# Altium PCB PCB1.PcbDoc (part 1 of 2) (continued)
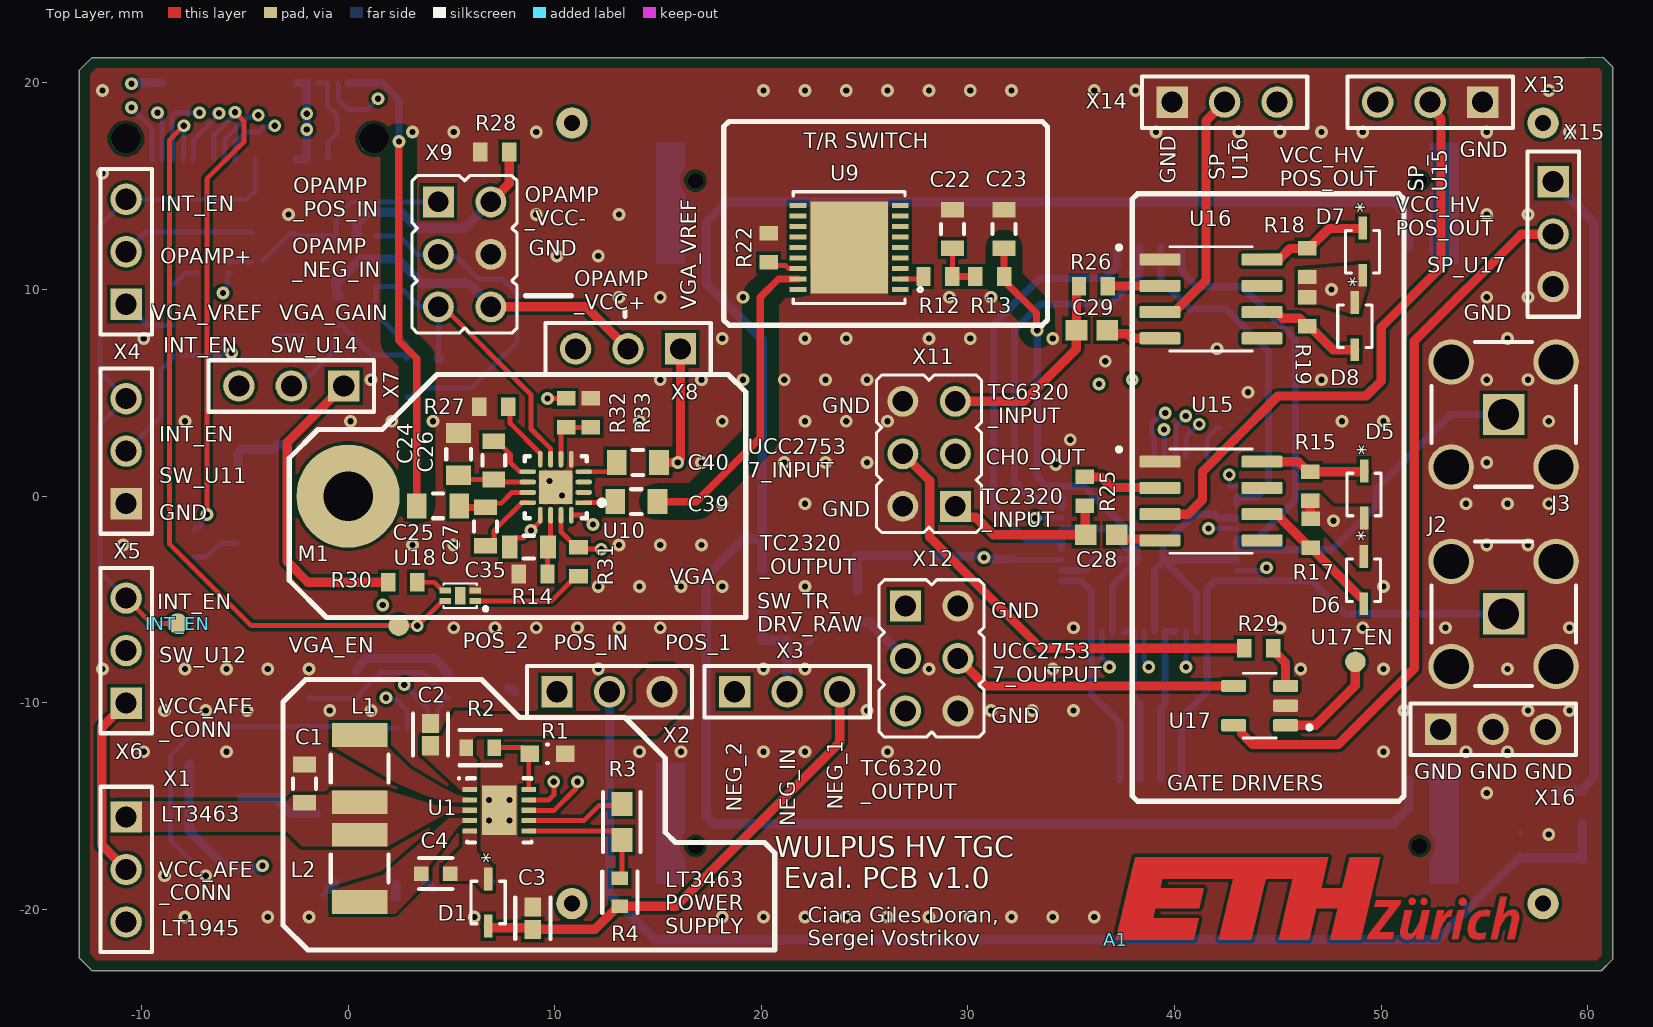
[diagram p0: Top Layer view]
## Components (designator, comment, footprint, x,y, rotation, side; value= is the part's Value field where it differs from the comment) (continued)
INT_EN "TP-SM-C-100" TP-SM-C-100 -8.248,-6.173 r90 top
J1 "LSHM-120-02.5-L-DV-A-N-K-TR" SAMTEC_LSHM-120-XX.X-X-DV-A-N-XX -4.75,18.15 r180 bottom locked
J2 "901-144-8RFX" AMPH-901-144-8RFX_V 55.932,-5.701 r180 top
J3 "901-144-8RFX" AMPH-901-144-8RFX_V 55.932,3.951 r180 top
J4 "91931-31169LF" FRAMETOME_91931-31169LF 34.337,14.167 r180 bottom locked
J5 "91931-31169LF" FRAMETOME_91931-31169LF 34.337,-15.833 r0 bottom locked
L1 "B82422A1103K100" FP-B82422A-MFG 0.56,-13.194 r90 top
L2 "B82422A1103K100" FP-B82422A-MFG 0.56,-18.02 r270 top
L3 "B82422A1103K100" FP-B82422A-MFG 0.687,-18.655 r180 bottom
L4 "B82422A1103K100" FP-B82422A-MFG 5.386,-18.655 r0 bottom
L5 "NR3012T4R7M" FP-NR3012-MFG -6.425,1.411 r180 bottom
M1 "Mounting Hole" "Mounting Hole" 0,0 r90 top
R1 "RC0603FR-0743K2L" FP-RC0603-0_55-MFG 9.652,-12.473 r0 top
R2 "RC0603JR-071ML" FP-RC0603-0_55-IPC_C 6.402,-12.178 r0 top
R3 "RK73H1JTTDD4122D" FP-RK73H1J-IPC_A 13.252,-15.773 r270 top
R4 "RC0603JR-071ML" FP-RC0603-0_55-IPC_C 13.152,-19.173 r270 top
R5 "RC0603JR-071ML" FP-RC0603-0_55-IPC_C 0.306,-9.13 r90 bottom
R6 "RC0603JR-071ML" FP-RC0603-0_55-IPC_C -7.695,-16.877 r270 bottom
R7 "RC0603FR-0743K2L" FP-RC0603-0_55-MFG -2.742,-9.765 r180 bottom
R8 "RK73H1JTTD4322F" RESC1608X55X30ML20T10 0.306,-12.051 r270 bottom
R9 "RC0603JR-130RL" RESC1608X55X25NL10T15 42.177,4.002 r270 bottom
R10 "RC0603FR-07196RL" RESC1608X55X25NL10T15 -4.648,12.027 r270 bottom
R11 "RC0603FR-07196RL" RESC1608X55X25NL10T15 6.752,5.327 r180 bottom
R12 "RC0603JR-130RL" RESC1608X55X25NL10T15 28.552,10.627 r180 top
R13 "RC0603JR-130RL" RESC1608X55X25NL10T15 31.052,10.627 r180 top
R14 "RC0603JR-130RL" RESC1608X55X25NL10T15 8.952,-3.773 r0 top
R15 "RC0603JR-130RL" RESC1608X55X25NL10T15 46.577,0.477 r90 top
R16 "RC0603JR-130RL" RESC1608X55X25NL10T15 24.652,-5.273 r270 bottom
R17 "RC0603JR-130RL" RESC1608X55X25NL10T15 46.602,-1.798 r270 top
R18 "RC0603JR-130RL" RESC1608X55X25NL10T15 46.427,11.302 r90 top
R19 "RC0603JR-130RL" RESC1608X55X25NL10T15 46.427,8.927 r270 top
R20 "RC0603FR-07196RL" RESC1608X55X25NL10T15 -8.548,10.927 r270 bottom
R21 "RC0603FR-07196RL" RESC1608X55X25NL10T15 -3.631,8.331 r90 bottom
R22 "RC0603JR-130RL" RESC1608X55X25NL10T15 20.352,12.027 r90 top
R23 "RC0603JR-130RL" RESC1608X55X25NL10T15 27.852,-2.873 r180 bottom
R24 "RC0603JR-130RL" RESC1608X55X25NL10T15 4.452,5.927 r270 bottom
R25 "RC0603JR-130RL" RESC1608X55X25NL10T15 35.652,0.227 r270 top
R26 "RC0603JR-130RL" RESC1608X55X25NL10T15 36.077,10.152 r180 top
R27 "RC0603FR-07196RL" RESC1608X55X25NL10T15 7.052,4.327 r180 top
R28 "RC0603JR-130RL" RESC1608X55X25NL10T15 7.099,16.651 r180 top
R29 "RC0603JR-130RL" RESC1608X55X25NL10T15 44.077,-7.373 r180 top
R30 "RC0603JR-130RL" RESC1608X55X25NL10T15 2.652,-4.173 r180 top
R31 "RC0603JR-130RL" RESC1608X55X25NL10T15 11.152,-3.173 r270 top
R32 "RC0603JR-130RL" RESC1608X55X25NL10T15 10.552,4.027 r270 top
R33 "RC0603JR-130RL" RESC1608X55X25NL10T15 11.752,4.027 r90 top
U1 "LT3463AEDD#PBF" LT-DD-10_V 7.319,-15.21 r0 top
U2 "LT1945IMS#PBF" LT-MS-10_L 3.354,-13.321 r270 bottom
U3 "TPS61222DCKR" DCK0006A_L -6.434,-2.287 r180 bottom
U8 "HV2708T-C/R8X" LQFP48_7X7MC_MCH 38.781,-2.339 r0 bottom locked
U9 "MD0101K6-G" DFN18_5X5_MCH 24.252,12.027 r180 top
U10 "AD8338ACPZ-R7" FP-CP-16-22-IPC_C 10.052,0.427 r180 top
U11 "SIP32431DNP3-T1GE4" TDFN-4_V -8.248,7.527 r270 bottom
U12 "SIP32432DNP3-T1GE4" TDFN-4_V -6.573,11.077 r0 bottom
U14 "SIP32432DNP3-T1GE4" TDFN-4_V -1.348,8.027 r0 bottom
U15 "TC2320TG-G" SOIC127P599X173-8N 41.765,-0.24 r0 top
U16 "TC6320K6-G" SOIC127P599X173-8N 41.765,9.539 r0 top
U17 "UCC27537" SOT95P280X145-5N 44.121,-10.146 r180 top
U17_EN "TP-SM-C-100" TP-SM-C-100 48.752,-8.023 r180 top
U18 "SIP32431DNP3-T1GE4" TDFN-4_V 5.427,-4.823 r180 top
U20 "TSV6291AILT" SOT95P280X145-5N 0.372,11.332 r270 bottom
VGA_EN "TP-SM-C-100" TP-SM-C-100 2.452,-6.273 r90 top
X1 "68000-103HLF" 68000-103HLF -10.743,-18.073 r270 top locked
X2 "68000-103HLF" 68000-103HLF 12.652,-9.473 r0 top locked
X3 "68000-103HLF" 68000-103HLF 21.252,-9.473 r0 top locked
X4 "68000-103HLF" 68000-103HLF -10.743,11.825 r90 top
X5 "68000-103HLF" 68000-103HLF -10.743,2.173 r90 top
X6 "68000-103HLF" 68000-103HLF -10.743,-7.479 r90 top
X7 "68000-103HLF" 68000-103HLF -2.748,5.327 r180 top locked
X8 "68000-103HLF" 68000-103HLF 13.552,7.127 r180 top locked
X9 "67996-106HLF" 67996-106HLF 5.64,11.698 r270 top
X11 "67996-106HLF" 67996-106HLF 28.119,2.046 r90 top
X12 "67996-106HLF" 67996-106HLF 28.246,-7.86 r270 top
X13 "68000-103HLF" 68000-103HLF 52.376,19.064 r180 top locked
X14 "68000-103HLF" 68000-103HLF 42.427,19.064 r0 top locked
X15 "68000-103HLF" 68000-103HLF 58.327,12.677 r270 top
X16 "68000-103HLF" 68000-103HLF 55.424,-11.289 r0 top

## Footprints (in the part's own frame and the unit in brackets; to place one, negate y for a bottom-side part, rotate by r counter-clockwise, add the part's x,y. Pads: shape width x height; smd on the part's side, far side on the other; paste and mask are expansions set on the pad)
67996-106HLF [mm] "Terminal Assembly, 2x3 Pin, Vertical, 2.54mm Pitch, Male"
  rect 1.5x1.5 hole 1: 1(-2.54,-1.27)
  round 1.5 hole 1: 2(-2.54,1.27) 3(0,-1.27) 4(0,1.27) 5(2.54,-1.27) 6(2.54,1.27)
  silkscreen extent -3.81,-2.54 3.81,2.54, body extent -3.81,-2.41 3.81,2.41, height 7.76
68000-103HLF [mm] "Terminal Assembly, 3 Pin, Vertical, 2.54mm Pitch, Male"
  rect 1.52x1.52 hole 1.02: 1(-2.54,0)
  round 1.52 hole 1.02: 2(0,0) 3(2.54,0)
  silkscreen extent -4,-1.24 4,1.24, body extent -3.81,-1.21 3.81,1.21, height 8.39
AMPH-901-144-8RFX_V [mm] "THD, 5-Leads, Body 7x7mm, Pitch 2.54mm"
  rect 2x2 hole 1.5: 1(0,0)
  round 2.2 hole 1.7: 2(-2.54,2.54) 3(-2.54,-2.54) 4(2.54,-2.54) 5(2.54,2.54)
  silkscreen extent -3.5,-3.5 3.5,3.5, body extent -3.55,-3.55 3.55,3.55, height 9.53
CAPC1608X90X35LL15T15 [mm] "Chip Capacitor, 2-Leads, Body 1.60x0.81mm, IPC High Density"
  rect 0.85x0.9 smd: 1(-0.65,0) 2(0.65,0)
  body extent -0.88,-0.48 0.87,0.48, height 0.9
CAPC1608X90X35NL15T15 [mm] "Chip Capacitor, 2-Leads, Body 1.60x0.81mm, IPC Medium Density"
  rect 1.05x1 smd: 1(-0.75,0) 2(0.75,0)
  body extent -0.88,-0.48 0.87,0.48, height 0.9
DCK0006A_L [mm] "SOT23, 6-Leads, Body 2.15x1.4mm, Pitch 0.65mm, IPC High Density"
  rrect25% 0.65x0.4 smd: 1(-1.025,0.65) 2(-1.025,0) 3(-1.025,-0.65) 4(1.025,-0.65) 5(1.025,0) 6(1.025,0.65)
  silkscreen extent -1.15,-1.1 0.3,1.52, body extent -1.14,-1 1.14,1, height 0.94
DFN18_5X5_MCH [mil]
  rect 31.81x10.03 smd paste+0 mask+0: 1(-97.41,80) 2(-97.41,60) 3(-97.41,40) 4(-97.41,20) 5(-97.41,0) 6(-97.41,-20) 7(-97.41,-40) 8(-97.41,-60) 9(-97.41,-80) 10(97.41,-80) 11(97.41,-60) 12(97.41,-40) 13(97.41,-20) 14(97.41,0) 15(97.41,20) 16(97.41,40) 17(97.41,60) 18(97.41,80)
  rect 148x175 smd paste+0 mask+0: 19(0,0)
  silkscreen extent -139,-107 107,107, body extent -101,-101 101,101, height 39
DIODE_SOD323_DIO [mil]
  rect 43.56x16.36 smd paste+0 mask+0: 1(-45,0) 2(45,0)
  silkscreen extent -41,-33 41,33, body extent -53,-27 53,27, height 47
eth-zurich_4mm [mm] "Logo ETH Zurich"
  Top Layer circle w0.4: c16.798,1.83 r0.001
  Top Layer circle w0.36: c14.924,1.852 r0.001
  Top Layer circle w0.36: c14.352,1.852 r0.001
  Top Layer region: 18.824,1.28 18.824,1.28 18.732,1.172 18.934,2.082 18.606,2.082 18.152,0.032 18.48,0.032 18.6,0.578 18.668,0.74 18.748,0.884 18.828,1.012 18.908,1.096 18.972,1.14 19.036,1.172 19.084,1.172 19.132,1.156 19.164,1.124 19.172,1.076 19.172,1.012 19.164,0.956 18.958,0.032 19.314,0.032 19.468,0.74 19.526,1.004 19.532,1.124 19.516,1.236 19.484,1.332 19.42,1.396 19.34,1.444 19.276,1.46 19.148,1.46 19.02,1.428 18.908,1.364
  Top Layer region: 18.152,1.402 18.152,1.402 18.08,1.428 18,1.44 17.872,1.44 17.728,1.428 17.576,1.392 17.448,1.328 17.344,1.248 17.28,1.184 17.216,1.104 17.16,1.008 17.12,0.912 17.08,0.8 17.056,0.696 17.04,0.592 17.04,0.456 17.056,0.336 17.08,0.256 17.12,0.176 17.168,0.112 17.232,0.064 17.304,0.032 17.376,0.016 17.536,0 17.616,0 17.76,0.016 17.85,0.038 17.888,0.048 17.922,0.362 17.848,0.336 17.744,0.312 17.664,0.304 17.608,0.304 17.544,0.32 17.488,0.352 17.456,0.384 17.432,0.432 17.416,0.488 17.408,0.544 17.408,0.616 17.424,0.72 17.456,0.824 17.496,0.912 17.544,0.984 17.616,1.072 17.68,1.112 17.744,1.136 17.808,1.144 17.904,1.144 17.992,1.136 18.032,1.128 18.088,1.112
  Top Layer region: 16.584,0.032 16.584,0.032 16.894,1.428 16.566,1.428 16.256,0.032
  Top Layer region: 15.81,1.04 15.81,1.04 15.896,1.428 15.568,1.428 15.258,0.032 15.586,0.032 15.636,0.258 15.712,0.504 15.8,0.72 15.872,0.856 15.972,0.988 16.04,1.056 16.096,1.096 16.152,1.12 16.192,1.12 16.246,1.106 16.32,1.44 16.272,1.448 16.224,1.448 16.176,1.44 16.104,1.408 16.056,1.376 15.992,1.32 15.936,1.264 15.872,1.168
  Top Layer region: 14.888,0.032 14.888,0.032 15.198,1.428 14.828,1.428 14.708,0.882 14.64,0.72 14.56,0.576 14.48,0.448 14.4,0.364 14.336,0.32 14.272,0.288 14.224,0.288 14.176,0.304 14.144,0.336 14.136,0.384 14.136,0.448 14.144,0.504 14.35,1.428 13.994,1.428 13.84,0.72 13.782,0.456 13.776,0.336 13.792,0.224 13.824,0.128 13.888,0.064 13.968,0.016 14.032,0 14.16,0 14.288,0.032 14.4,0.096 14.484,0.18 14.576,0.288 14.52,0.032
  Top Layer region: 13.812,1.92 13.812,1.92 12.602,1.92 12.528,1.588 13.26,1.588 12.23,0.246 12.184,0.032 13.392,0.032 13.466,0.364 12.732,0.364 13.766,1.712
  Top Layer region: 11.86,0 11.86,0 12.8,4 11.324,4 10.97,2.494 9.946,2.494 10.298,4 0.94,4 0,0 1.562,0 3.784,0 4.028,1.04 1.808,1.04 1.922,1.528 4.046,1.528 4.272,2.488 2.146,2.488 2.258,2.96 5.698,2.96 5,0 6.564,0 7.26,2.96 8.578,2.96 7.884,0 9.36,0 9.72,1.534 10.744,1.534 10.384,0
FP-B82422A-MFG [mm]
  rect 1.15x2.7 smd paste+0 mask+0: 1(-1.625,0) 2(1.625,0)
  silkscreen extent -0.67,-1.4 0.67,1.4, body extent -1.6,-1.25 1.6,1.25, height 2.1
FP-BLM18-0_15-t0_8-IPC_A [mm]
  rect 1.306x1.058 smd paste+0 mask+0: 1(-0.776,0) 2(0.776,0)
  silkscreen extent -1.43,-0.93 1.43,0.93, body extent -0.8,-0.4 0.8,0.4, height 0.95
FP-C0603C-CF-MFG [mm]
  rect 0.75x0.9 smd paste+0 mask+0: 1(-0.6,0) 2(0.6,0)
  silkscreen extent -0.87,-0.85 0.88,0.85, body extent -0.8,-0.4 0.8,0.4, height 0.87
FP-C1608-080-0_1-IPC_C [mm]
  rect 0.931x0.812 smd paste+0 mask+0: 1(-0.541,0) 2(0.541,0)
  silkscreen extent -1.01,-0.85 1.01,0.85, body extent -0.8,-0.4 0.8,0.4, height 0.9
FP-C1608-080-0_1-MFG [mm]
  rect 0.7x0.7 smd paste+0 mask+0: 1(-0.7,0) 2(0.7,0)
  silkscreen extent -0.8,-0.75 0.8,0.75, body extent -0.8,-0.4 0.8,0.4, height 0.9
FP-C1608-080-0_2-MFG [mm]
  rect 0.7x0.7 smd paste+0 mask+0: 1(-0.7,0) 2(0.7,0)
  silkscreen extent -0.9,-0.77 0.9,0.77
FP-CGA3E-0_3-0_1-IPC_A [mm]
  rect 0.956x1.206 smd paste+0 mask+0: 1(-1.025,0) 2(1.025,0)
  silkscreen extent -0.25,-0.6 0.25,0.6, body extent -2,-1.1 2,1.1, height 0.25
FP-CGA3E-0_3-0_1-IPC_B [mm]
  rect 0.756x1.106 smd paste+0 mask+0: 1(-0.925,0) 2(0.925,0)
  silkscreen extent -0.25,-0.55 0.25,0.55, body extent -0.8,-0.4 0.8,0.4, height 1.1
FP-CP-16-22-IPC_C [mm]
  rect 0.806x0.239 smd paste+0 mask+0: 1(-1.353,0.75)
  rrect100% 0.806x0.239 smd paste+0 mask+0: 2(-1.353,0.25) 3(-1.353,-0.25) 4(-1.353,-0.75) 9(1.353,-0.75) 10(1.353,-0.25) 11(1.353,0.25) 12(1.353,0.75)
  rrect100% 0.239x0.806 smd paste+0 mask+0: 5(-0.75,-1.353) 6(-0.25,-1.353) 7(0.25,-1.353) 8(0.75,-1.353) 13(0.75,1.353) 14(0.25,1.353) 15(-0.25,1.353) 16(-0.75,1.353)
  rect 1.6x1.6 smd paste-1000 mask+0: 17(0,0)
  silkscreen extent -2.36,-1.5 1.5,1.5, body extent -1.86,-1.86 1.86,1.86, height 0.25
FP-GRM188-0_2-IPC_C [mm]
  rect 0.905x0.906 smd paste+0 mask+0: 1(-0.601,0) 2(0.601,0)
  silkscreen extent -1.05,-0.9 1.05,0.9, body extent -0.8,-0.4 0.8,0.4, height 1
FP-NR3012-MFG [mm]
  rect 0.8x2.7 smd paste+0 mask+0: 1(-1.1,0) 2(1.1,0)
  silkscreen extent -0.33,-1.55 0.33,1.55, body extent -1.5,-1.5 1.5,1.5, height 1.2
FP-RC0603-0_55-IPC_C [mm]
  rect 0.659x0.812 smd paste+0 mask+0: 1(-0.677,0) 2(0.677,0)
  silkscreen extent -1.01,-0.85 1.01,0.85, body extent -0.8,-0.4 0.8,0.4, height 0.55
FP-RC0603-0_55-MFG [mm]
  rect 0.9x0.8 smd paste+0 mask+0: 1(-0.85,0) 2(0.85,0)
  silkscreen extent -0.03,-0.45 0.03,0.45, body extent -0.8,-0.4 0.8,0.4, height 0.55
FP-RK73H1J-IPC_A [mm]
  rect 1.156x1.012 smd paste+0 mask+0: 1(-0.875,0) 2(0.875,0)
  silkscreen extent -1.45,-0.91 1.45,0.91, body extent -1.95,-1.01 1.95,1.01, height 0.25
FRAMETOME_91931-31169LF [mm]
  rect 0.61x1.63 smd paste-2: 1(-17,-2.11) 2(-16,-2.11) 3(-15,-2.11) 4(-14,-2.11) 5(-13,-2.11) 6(-12,-2.11) 7(-11,-2.11) 8(-10,-2.11) 9(-9,-2.11) 10(-8,-2.11) 11(-7,-2.11) 12(-6,-2.11) 13(-5,-2.11) 14(-4,-2.11) 15(-3,-2.11) 16(-2,-2.11) 17(-1,-2.11) 18(0,-2.11) 19(1,-2.11) 20(2,-2.11) 21(3,-2.11) 22(4,-2.11) 23(5,-2.11) 24(6,-2.11) 25(7,-2.11) 26(8,-2.11) 27(9,-2.11) 28(10,-2.11) 29(11,-2.11) 30(12,-2.11) 31(13,-2.11) 32(14,-2.11) 33(15,-2.11) 34(16,-2.11) 35(17,-2.11) 36(-16.5,2.11) 37(-15.5,2.11) 38(-14.5,2.11) 39(-13.5,2.11) 40(-12.5,2.11) 41(-11.5,2.11) 42(-10.5,2.11) 43(-9.5,2.11) 44(-8.5,2.11) 45(-7.5,2.11) 46(-6.5,2.11) 47(-5.5,2.11) 48(-4.5,2.11) 49(-3.5,2.11) 50(-2.5,2.11) 51(-1.5,2.11) 52(-0.5,2.11) 53(0.5,2.11) 54(1.5,2.11) 55(2.5,2.11) 56(3.5,2.11) 57(4.5,2.11) 58(5.5,2.11) 59(6.5,2.11) 60(7.5,2.11) 61(8.5,2.11) 62(9.5,2.11) 63(10.5,2.11) 64(11.5,2.11) 65(12.5,2.11) 66(13.5,2.11) 67(14.5,2.11) 68(15.5,2.11) 69(16.5,2.11)
  rect 0.1x0.1 smd paste-1 mask+0: B1(18.5,0.5) B2(-19.14,0.7)
  round 0.76 hole 0.76 unplated: ""(-17.526,1.1) ""(17.526,1.1)
  Top Layer region: -18.02,1.745 -18.052,1.71 -18.082,1.674 -18.11,1.636 -18.137,1.596 -18.161,1.556 -18.183,1.514 -18.203,1.471 -18.221,1.427 -18.236,1.382 -18.249,1.337 -18.26,1.291 -18.269,1.244 -18.275,1.197 -18.278,1.15 -18.28,1.102 -18.278,1.055 -18.275,1.008 -18.269,0.961 -18.26,0.914 -18.249,0.868 -18.236,0.823 -18.221,0.778 -18.203,0.734 -18.183,0.691 -18.161,0.649 -18.137,0.609 -18.11,0.569 -18.082,0.531 -18.052,0.495 -18.02,0.46 -18.02,-2.925 -19.42,-2.925 -19.42,2.925 -18.02,2.925
  Top Layer region: 19.42,-2.92 18.02,-2.92 18.02,0.465 18.052,0.5 18.082,0.536 18.11,0.574 18.137,0.614 18.161,0.654 18.183,0.696 18.203,0.739 18.221,0.783 18.236,0.828 18.249,0.873 18.26,0.919 18.269,0.966 18.275,1.013 18.278,1.06 18.28,1.108 18.278,1.155 18.275,1.202 18.269,1.249 18.26,1.296 18.249,1.342 18.236,1.387 18.221,1.432 18.203,1.476 18.183,1.519 18.161,1.561 18.137,1.601 18.11,1.641 18.082,1.679 18.052,1.715 18.02,1.75 18.02,2.93 19.42,2.93
  silkscreen extent -19.65,-3.77 19.65,2.5
LQFP48_7X7MC_MCH [mil]
  rect 57.56x11 smd paste+0 mask+0: 1(-166,110) 2(-166,90) 3(-166,70) 4(-166,50) 5(-166,30) 6(-166,10) 7(-166,-10) 8(-166,-30) 9(-166,-50) 10(-166,-70) 11(-166,-90) 12(-166,-110) 25(166,-110) 26(166,-90) 27(166,-70) 28(166,-50) 29(166,-30) 30(166,-10) 31(166,10) 32(166,30) 33(166,50) 34(166,70) 35(166,90) 36(166,110)
  rect 11x57.56 smd paste+0 mask+0: 13(-110,-166) 14(-90,-166) 15(-70,-166) 16(-50,-166) 17(-30,-166) 18(-10,-166) 19(10,-166) 20(30,-166) 21(50,-166) 22(70,-166) 23(90,-166) 24(110,-166) 37(110,166) 38(90,166) 39(70,166) 40(50,166) 41(30,166) 42(10,166) 43(-10,166) 44(-30,166) 45(-50,166) 46(-70,166) 47(-90,166) 48(-110,166)
  silkscreen extent -215,-215 215,215, body extent -181,-181 181,181, height 63
LT-DD-10_V [mm] "SON, 10-Leads, Body 3x3mm, Pitch 0.5mm, Thermal Pad 2.38x1.65mm"
  rect 0.7x0.25 smd mask+0.05: 1(-1.425,1) 2(-1.425,0.5) 3(-1.425,0) 4(-1.425,-0.5) 5(-1.425,-1) 6(1.425,-1) 7(1.425,-0.5) 8(1.425,0) 9(1.425,0.5) 10(1.425,1)
  rect 1.65x2.38 smd mask+0.05: 11(0,0)
  silkscreen extent -2,-1.55 1.55,1.6, body extent -1.5,-1.5 1.5,1.5, height 0.8
LT-MS-10_L [mm] "SOP, 10-Leads, Body 3.1x3.1mm, Pitch 0.5mm, IPC High Density"
  oval 1.35x0.25 smd: 1(-2.1,1) 2(-2.1,0.5) 3(-2.1,0) 4(-2.1,-0.5) 5(-2.1,-1) 6(2.1,-1) 7(2.1,-0.5) 8(2.1,0) 9(2.1,0.5) 10(2.1,1)
  silkscreen extent -2.22,-1.55 1.02,1.8, body extent -1.55,-1.55 1.55,1.55, height 1.1
"Mounting Hole" [mm] "Plated Thru-Hole, M2 (2.4mm hole, 5mm pad)"
  round 5 / inner round 3 / far side round 5 hole 2.4: 1(0,0)
RESC1608X55X25NL10T15 [mm] "Chip Resistor, 2-Leads, Body 1.60x0.80mm, IPC Medium Density"
  rect 0.7x0.9 smd: 1(-0.7,0) 2(0.7,0)
  body extent -0.85,-0.45 0.85,0.45, height 0.55
RESC1608X55X30ML20T10 [mm] "Chip Resistor, 2-Leads, Body 1.60x0.80mm, IPC Low Density"
  rect 0.9x1.1 smd: 1(-0.75,0) 2(0.75,0)
  body extent -0.9,-0.5 0.9,0.5, height 0.55
SAMTEC_LSHM-120-XX.X-X-DV-A-N-XX [mm]
  rect 0.3x1.5 smd mask+0.05: 01(4.75,-1.85) 02(4.75,1.85) 03(4.25,-1.85) 04(4.25,1.85) 05(3.75,-1.85) 06(3.75,1.85) 07(3.25,-1.85) 08(3.25,1.85) 09(2.75,-1.85) 10(2.75,1.85) 11(2.25,-1.85) 12(2.25,1.85) 13(1.75,-1.85) 14(1.75,1.85) 15(1.25,-1.85) 16(1.25,1.85) 17(0.75,-1.85) 18(0.75,1.85) 19(0.25,-1.85) 20(0.25,1.85) 21(-0.25,-1.85) 22(-0.25,1.85) 23(-0.75,-1.85) 24(-0.75,1.85) 25(-1.25,-1.85) 26(-1.25,1.85) 27(-1.75,-1.85) 28(-1.75,1.85) 29(-2.25,-1.85) 30(-2.25,1.85) 31(-2.75,-1.85) 32(-2.75,1.85) 33(-3.25,-1.85) 34(-3.25,1.85) 35(-3.75,-1.85) 36(-3.75,1.85) 37(-4.25,-1.85) 38(-4.25,1.85) 39(-4.75,-1.85) 40(-4.75,1.85)
  round 1.45 hole 1.45 unplated: ""(-6,-0.85) ""(6,-0.85)
  silkscreen extent -7.35,-3.3 7.35,2.49, body extent -7.4,-2.49 7.4,2.49, height 4.11
SOIC127P599X173-8N [mm]
  rrect25% 1.98x0.59 smd: 1(-2.47,1.905) 2(-2.47,0.635) 3(-2.47,-0.635) 4(-2.47,-1.905) 5(2.47,-1.905) 6(2.47,-0.635) 7(2.47,0.635) 8(2.47,1.905)
  silkscreen extent -4.55,-2.52 1.99,2.59, body extent -3,-2.45 3,2.45, height 1.75
SOT95P280X145-5N [mm]
  rrect25% 1.21x0.59 smd: 1(-1.255,0.95) 2(-1.255,0) 3(-1.255,-0.95) 4(1.255,-0.95) 5(1.255,0.95)
  silkscreen extent -2.51,-1.57 0.8,1.57, body extent -1.45,-1.4 1.45,1.4, height 0.76
TDFN-4_V [mm] "TDFN, 4-Leads, Body 1.2x1.6mm, Pitch 0.5mm, Thermal Pad 0.86x0.5mm"
  rect 0.55x0.3 smd: 1(-0.725,0.25) 2(-0.725,-0.25) 3(0.725,-0.25) 4(0.725,0.25)
  rect 0.5x0.86 smd: 5(0,0)
  silkscreen extent -1.3,-0.6 0.8,0.71, body extent -0.85,-0.62 0.85,0.63, height 0.6
TP-SM-C-100 [mm] "Test Point, Surface Mounting, Circular, Pad Diameter 1mm"
  round 1 smd: 1(0,0)

## Part data
A1: library part CMP-00038-1
C1 C7 C10 C16 C18 C20 C21: library part CMP-08246-000317-1, "Cap Ceramic 1uF 50V X5R 10% Pad SMD 0603 +85°C Automotive T/R", Capacitance=1µF, Case Code (Imperial)=0603, Case Code (Metric)=1608, Dielectric=X5R, Max Operating Temperature=85°C, Min Operating Temperature=-55°C, Tolerance=10%, Voltage Rating=50V, Case/Package=0603, Packaging="Tape and Reel", Termination=SMD/SMT, Voltage Rating (DC)=50V
C2 C3: library part CMP-08246-003456-1, "Multilayer Ceramic Capacitors 470nF ±10% 50V X5R SMD 0603", Capacitance=0.47µF, Case Code (Imperial)=0603, Case Code (Metric)=1608, Dielectric=X5R, Dielectric Material=Ceramic, Max Operating Temperature=85°C, Min Operating Temperature=-55°C, Package Quantity=1, Tolerance=10%, Voltage=50V, Case/Package=0603, Construction=Flat, Depth=0.8mm, Height=0.8mm, Lead Free="Lead Free", Length=1.6mm, Mount="Surface Mount", Number of Pins=2, Packaging="Tape and Reel", Radiation Hardening=No, REACH SVHC="No SVHC", Resistor Type=Ceramic, RoHS Compliant=Yes, Series=C, Termination=SMD/SMT, Thickness=0.035inch, Voltage Rating=50V, Voltage Rating (DC)=50V, Weight=7.1E-05oz, Width=0.031inch
C4 C8 C13 C32: library part CMP-08246-002719-1, "Multilayer Ceramic Capacitors 100nF ±10% 50V X5R SMD 0603", Capacitance=0.1µF, Case Code (Imperial)=0603, Case Code (Metric)=1608, Dielectric=X5R, Dielectric Material=Ceramic, Max Operating Temperature=85°C, Min Operating Temperature=-55°C, Package Quantity=1, Tolerance=10%, Voltage Rating=50V, Case/Package=0603, Construction=Flat, Depth=0.8mm, Height=0.8mm, Lead Free="Lead Free", Length=1.6mm, Mount="Surface Mount", Number of Pins=2, Packaging="Tape and Reel", Radiation Hardening=No, REACH SVHC="No SVHC", Resistor Type=Ceramic, RoHS Compliant=Yes, Series=C, Termination=SMD/SMT, Thickness=0.035inch, Voltage Rating (DC)=50V, Weight=7.1E-05oz, Width=0.031inch
C5: library part CMP-08246-004349-1, "CAP CER 4.7UF 35V X5R 0603", Capacitance=4.7uF, Case Code (Imperial)=0603, Case Code (Metric)=1608, Dielectric=X5R, Dielectric Material=Ceramic, Max Operating Temperature=85°C, Min Operating Temperature=-55°C, Package Quantity=1, Tolerance=10%, Voltage Rating=35V, Case/Package=0603, Depth=0.8mm, Height=0.8mm, Lead Free="Lead Free", Length=0.063inch, Mount="Surface Mount", Packaging="Tape and Reel", REACH SVHC="No SVHC", Resistor Type=Ceramic, RoHS Compliant=Yes, Series=C, Termination=SMD/SMT, Thickness=0.039inch, Voltage Rating (DC)=35V, Weight=7.1E-05oz, Width=0.031inch
C6: library part CMP-03020-034431-1, "CAP CER 4.7PF 50V NP0 0603", Capacitance=4.7pF, Manufacturer=KEMET, Package=C0603C-CF, Temperature="-55°C to +125°C", Temperature Characteristic=C0G, Temperature Coefficient=30ppm/°C, Temperature Range High=+125°C, Temperature Range Low=-55°C, Tolerance=0.1, Voltage Rating="50 V", Automotive=Yes, Automotive Grade="Grade 1", Category=Cap, ComponentLink2Description=Datasheet, ComponentLink2URL=https://api.kemet.com/component-edge/download/datasheet/C0603C100J5GACAUTO.pdf, Device Class L1="Passive Components", Device Class L2=Capacitors, Device Class L3="Ceramic Capacitors", Digikey Description="CAP CER 4.7PF 50V NP0 0603", Height=0.87mm, Lead Free=Yes, Manufacturer Part Number=C0603C479K5GAC7867, Material=Ceramic, Octopart=https://octopart.com/c0603c479k5gac7867-kemet-2009260, RoHS=TRUE
C9: library part CMP-2006-04375-1, Capacitance=100pF, Manufacturer="AVX Interconnect / Elco", Part Number=06035C101KAT2A
C11 C12 C30 C31: library part CMP-06035-042125-1, "Chip Multilayer Ceramic Capacitors for General Purpose, 0603, 2.2uF, X5R, 15%, 10%, 50V", Capacitance=2.2µF, Case Code (Imperial)=0603, Case Code (Metric)=1608, Dielectric=X5R, Max Operating Temperature=85°C, Min Operating Temperature=-55°C, Tolerance=10%, Voltage Rating=50V, Case/Package=0603, Height=0.8mm, Length=0.063inch, Material=Ceramic, Mount="Surface Mount", Packaging="Cut Tape", REACH SVHC="No SVHC", Thickness=0.039inch, Voltage Rating (DC)=50V, Width=0.031inch
C14 C15: library part CMP-06035-045466-1, "Chip Multilayer Ceramic Capacitors for General Purpose, 0603, 10uF, X5R, 15%, 20%, 35V", Capacitance=10µF, Case Code (Imperial)=0603, Case Code (Metric)=1608, Dielectric=X5R, Max Operating Temperature=85°C, Min Operating Temperature=-55°C, Tolerance=20%, Voltage Rating=35V, Case/Package=0603, Length=0.063inch, Mount="Surface Mount", Packaging="Tape and Reel", Thickness=0.039inch, Voltage Rating (DC)=35V, Width=0.031inch
C17 C19 C36: library part CMP-08246-002719-1, "Multilayer Ceramic Capacitors 100nF ±10% 50V X5R SMD 0603", Capacitance=100nF, Case Code (Imperial)=0603, Case Code (Metric)=1608, Dielectric=X5R, Dielectric Material=Ceramic, Max Operating Temperature=85°C, Min Operating Temperature=-55°C, Package Quantity=1, Tolerance=10%, Voltage Rating=50V, Case/Package=0603, Construction=Flat, Depth=0.8mm, Height=0.8mm, Lead Free="Lead Free", Length=1.6mm, Mount="Surface Mount", Number of Pins=2, Packaging="Tape and Reel", Radiation Hardening=No, REACH SVHC="No SVHC", Resistor Type=Ceramic, RoHS Compliant=Yes, Series=C, Termination=SMD/SMT, Thickness=0.035inch, Voltage Rating (DC)=50V, Weight=7.1E-05oz, Width=0.031inch
C22 C23 C26 C27 C33 C34 C35: library part CMP-08246-000317-1, "Cap Ceramic 1uF 50V X5R 10% Pad SMD 0603 +85°C Automotive T/R", Capacitance=1uF, Case Code (Imperial)=0603, Case Code (Metric)=1608, Dielectric=X5R, Max Operating Temperature=85°C, Min Operating Temperature=-55°C, Tolerance=10%, Voltage Rating=50V, Case/Package=0603, Packaging="Tape and Reel", Termination=SMD/SMT, Voltage Rating (DC)=50V
C24 C25 C39 C40: library part CMP-08246-002238-1, "Cap Ceramic 1nF 50V X5R 10% Pad SMD 0603 +85°C Automotive T/R", Capacitance=1nF, Case Code (Imperial)=0603, Case Code (Metric)=1608, Dielectric=X5R, Max Operating Temperature=85°C, Min Operating Temperature=-55°C, Package Quantity=4000, Ratings=AEC-Q200, Tolerance=10%, Voltage Rating=50V, Case/Package=0603, Height=0.8mm, Length=0.063inch, Mount="Surface Mount", Packaging="Tape and Reel", Termination=SMD/SMT, Thickness=0.035inch, Voltage Rating (DC)=50V, Weight=7.1E-05oz, Width=0.031inch
C28 C29: library part CMP-2006-04462-1, Capacitance=10nF, Manufacturer="AVX Interconnect / Elco", Part Number=06035D103KAT2A
D1 D2 D3 D4 D5 D6 D7 D8: "Diode Schottky 40V 1A Automotive 2-Pin SOD-323 T/R", Average Rectified Current=1A, Manufacturer=Diodes, Max Reverse Voltage (DC)=40V, Supplier Part Number 1=3127490, Category="Rectifier Diodes", ComponentLink1Description=http://www.mouser.com/ds/2/115/ZHCS400Q-959646.pdf?src-supplier=Mouser, ComponentLink1URL=http://www.mouser.com/ds/2/115/ZHCS400Q-959646.pdf?src-supplier=Mouser, Manufacturer Part Number=ZHCS400QTA, Mount="Surface Mount", Packaging="Tape and Reel", Pricing 1="5=0.87300, 10=0.73400, 100=0.49400, 500=0.38800 (CHF)", RoHS=Yes, RoHS Compliant=Yes, Stock 1=385, Supplier 1=Farnell
FB1 FB2: library part CMP-06046-000808-1, "Chip Ferrite Bead, 0603, 30Ω @ 100MHz, 0.05Ω, , 1A", Case Code (Imperial)=0603, Case Code (Metric)=1608, DC Resistance (DCR)=50mR, Max Current Rating=1A, Max Operating Temperature=125°C, Min Operating Temperature=-55°C, Package Quantity=1, Ratings=AEC-Q200, Test Frequency=100MHz, Tolerance=25%, Case/Package=0603, Contact Plating=Tin, Height=0.037inch, Impedance="30 ohm", Length=1.6mm, Max DC Current=1A, Mount="Surface Mount", Number of Circuits=1, Number of Lines=1, Packaging="Tape and Reel", Shielding=Unshielded, Termination=SMD/SMT, Width=0.031inch
INT_EN U17_EN VGA_EN: library part CMP-0484-00002-2, "Test Point, Surface Mount, Circular, Pad Diameter 1 mm", Manufacturer="No Vendor", PartNumber=TP-SM-C-100
J1: "Conn Socket and Terminal Strip HDR/SKT 40 POS 0.5mm Solder ST SMD T/R", Housing Color=Black, Manufacturer=Samtec, Max Operating Temperature=125°C, Min Operating Temperature=-55°C, Supplier Part Number 1=SAM13196CT-ND, Category=Connectors, ComponentLink1Description=http://www.farnell.com/datasheets/2372721.pdf?src-supplier=Farnell, ComponentLink1URL=http://www.farnell.com/datasheets/2372721.pdf?src-supplier=Farnell, ComponentLink2Description=http://www.farnell.com/datasheets/2000266.pdf?src-supplier=Farnell, ComponentLink2URL=http://www.farnell.com/datasheets/2000266.pdf?src-supplier=Farnell, ComponentLink3Description=http://components.arrow.com/part/dataview/0323_01943898?src-supplier=Arrow+Europe, ComponentLink3URL=http://components.arrow.com/part/dataview/0323_01943898?src-supplier=Arrow+Europe, ComponentLink4Description=http://components.arrow.com/part/dataview/48680868S8397842N1004?src-supplier=Arrow+Electronics, ComponentLink4URL=http://components.arrow.com/part/dataview/48680868S8397842N1004?src-supplier=Arrow+Electronics, ComponentLink5Description=http://www.farnell.com/datasheets/2000266.pdf?src-supplier=Element14, ComponentLink5URL=http://www.farnell.com/datasheets/2000266.pdf?src-supplier=Element14, ComponentLink6Description=http://suddendocs.samtec.com/prints/lshm-1xx-xx.x-xx-dv-a-x-x-tr-mkt.pdf?src-supplier=Digi-Key, ComponentLink6URL=http://suddendocs.samtec.com/prints/lshm-1xx-xx.x-xx-dv-a-x-x-tr-mkt.pdf?src-supplier=Digi-Key, ComponentLink7Description=ftp://ftp.samtec.com/webfiles/PDF/LSHM.PDF?src-supplier=Avnet, ComponentLink7URL=ftp://ftp.samtec.com/webfiles/PDF/LSHM.PDF?src-supplier=Avnet, ComponentLink8Description=ftp://ftp.samtec.com/webfiles/PDF/LSHM.PDF?src-supplier=Avnet+Europe, ComponentLink8URL=ftp://ftp.samtec.com/webfiles/PDF/LSHM.PDF?src-supplier=Avnet+Europe, ComponentLink9Description=http://www.farnell.com/datasheets/2372721.pdf?src-supplier=Newark, ComponentLink9URL=http://www.farnell.com/datasheets/2372721.pdf?src-supplier=Newark, Contact Material=Bronze, Contact Plating=Gold, Depth=4.98mm, Housing Material=Polymer, Length=14.7mm, Manufacturer Part Number=LSHM-120-02.5-L-DV-A-N-K-TR, Number of Contacts=40, Number of Rows=2, Orientation=Straight, Packaging="Tape and Reel", Pitch=0.5mm, Pricing 1="1=6.60000, 10=5.97000, 25=5.63960, 50=5.50200, 100=5.22690, 250=4.67672 (USD)", Radiation Hardening=No, REACH SVHC="No SVHC", RoHS=Yes, RoHS Compliant=Yes, Series=LSH, Stock 1=3008, Supplier 1=Digi-Key, Termination=Solder
J2 J3: library part CMP-2000-05706-1, "Coaxial Connector, 18 GHz, 50 Ohm, -65 to 165 degC, 5-Pin THD, RoHS, Bulk", Dielectric Material=Polytetrafluoroethylene(PTFE), Frequency - Max=18GHz, Housing Color=Gold, Manufacturer=Amphenol, Operating Temperature=-65°C~165°C, Package Description="5-Pin Through Hole Device, Body 7 x 7 mm, Pitch 2.54 mm", Standard Package=1, Voltage Rating=-, 3D Model=901-144-8RFX.igs, Body Finish=Gold, Body Material=Brass, Cable Group=-, Category=Connectors,Interconnects, Center Contact Material=BerylliumCopper, Center Contact Plating=Gold, Connector Style=SMA, Connector Type=Jack,FemaleSocket, Contact Termination=Solder, Datasheet URL=https://datasheet.ciiva.com/23676/c901-144-8rfx-23676337.pdf, Datasheet Version="Rev. A, 01/2001", Family=CoaxialConnectors(RF), Fastening Type=Threaded, Features=-, Impedance=50Ohm, Ingress Protection=-, Manufacturer URL=http://www.amphenol.com/, Mounting Technology=SurfaceMount, Mounting Type=ThroughHole, Online Catalog=SMA,RFX, Other Names=901-144-8-RFX9011448RFXARFX1231, Package Reference=901-144-8RFX, Packaging=Bulk, Series=-, Shield Termination=Solder
J4 J5: "Conn; Rect; Industrial; MezzanineRECP; 69Cnts; SMT; I-IndustrialSeries", Package=None, Availability=Unavailable, MP=91931-31169LF, Price=None
L1 L2 L3 L4: library part CMP-2000-05912-2, "FIXED IND 10UH 180MA 1.6 OHM SMD", Case Code (Imperial)=1210, Case Code (Metric)=3225, Current Rating=180mA, DC Resistance (DCR)=1.6R, Inductance=10uH, Inductance Tolerance=10%, Max Operating Temperature=125°C, Package Quantity=2000, Ratings=AEC-Q200, Resistor Type=Wirewound, Self Resonant Frequency=25MHz, Test Frequency=1MHz, Case/Package=1210, Contact Plating=Tin, Core Material=Ferrite, DC Current=180mA, Depth=2.8mm, Height=2.1mm, Height - Seated (Max)=0.083inch, Lead Free="Lead Free", Length=3.5mm, Max DC Current=180mA, Military Standard=Not, Mount="Surface Mount", Number of Pins=2, Packaging="Tape and Reel", Q Factor=27, Radiation Hardening=No, Rated Current-Max=180mA, REACH SVHC="No SVHC", RoHS Compliant=Yes, Series=SIMID, Series Resistance=1.6R, Shielding=Unshielded, Termination=SMD/SMT, Tolerance=10%, Weight=0.001764oz, Width=0.098inch
L5: library part CMP-14484-001484-1, "SMD Power Inductors 4.7uH ±20% 0.77A 0.13Ω", Case Code (Imperial)=1212, Case Code (Metric)=3030, Current Rating=980mA, DC Resistance (DCR)=156mR, Inductance=4.7µH, Inductance Tolerance=20%, Max DC Current=770mA, Max Operating Temperature=120°C, Min Operating Temperature=-25°C, Package Quantity=2000, Resistor Type=Wirewound, Self Resonant Frequency=48MHz, Test Frequency=100kHz, Case/Package=1212, Core Material=Ferrite, DC Current=980mA, Depth=3.1mm, Halogen Free="Halogen Free", Height=1.2mm, Height - Seated (Max)=0.047inch, Lead Free="Lead Free", Length=0.118inch, Military Standard=Not, Mount="Surface Mount", Packaging="Tape and Reel", Radiation Hardening=No, RMS Current (Irms)=980mA, RoHS Compliant=Yes, Saturation Current=770mA, Series=NR, Shielding=Shielded, Termination=SMD/SMT, Tolerance=20%, Width=0.118inch
M1: library part CMP-00274-1, "M2 Hole, 2.4mm drill, 5mm landing pads, 3mm pad in middle layers, no overlay", ClassName="Mounting Hole"
R1 R7: library part CMP-03412-037801-1, "RES SMD 43.2K OHM 1% 1/10W 0603", Case Code (Imperial)=0603, Case Code (Metric)=1608, Max Operating Temperature=155°C, Max Power Dissipation=100mW, Min Operating Temperature=-55°C, Package Quantity=1, Resistance=43.2kΩ, Resistor Type="Thick Film", Temperature Coefficient=100ppm/°C, Tolerance=1%, Voltage Rating=50V, Case/Package=0603, Construction=Rectangular, Depth=0.8mm, Features="Moisture Resistant", Height=0.45mm, Lead Free="Lead Free", Length=1.6mm, Military Standard=Not, Mount="Surface Mount", Number of Terminations=2, Packaging="Tape and Reel", Power Rating=100mW, RoHS Compliant=Yes, Series=RC, Size Code=0603, Technology="THICK FILM", Termination=SMD/SMT, Voltage Rating (DC)=50V, Width=0.031inch
R2 R4 R5 R6: library part CMP-2000-06953-2, "RES SMD 1M OHM 5% 1/10W 0603", Case Code (Imperial)=0603, Case Code (Metric)=1608, Max Operating Temperature=155°C, Max Power Dissipation=100mW, Min Operating Temperature=-55°C, Package Quantity=5000, Resistance=1MΩ, Resistance Tolerance=5%, Resistor Type="Thick Film", Temperature Coefficient=100ppm/°C, Voltage Rating=50V, Case/Package=0603, Construction=Rectangular, Contact Plating=Tin, Depth=0.8mm, Features="Moisture Resistant", Height=0.45mm, Lead Free="Lead Free", Length=1.6mm, Military Standard=Not, Number of Pins=2, Number of Terminations=2, Packaging="Tape and Reel", Power Rating=100mW, Radiation Hardening=No, REACH SVHC="No SVHC", RoHS Compliant=Yes, Series=RC, Size Code=0603, Termination=SMD/SMT, Tolerance=5%, Voltage Rating (DC)=50V, Width=0.8mm
R3: library part CMP-04015-070888-1, "41.2kΩ ±0.5% 0.1W Chip Resistor 0603 Thick Film AEC-Q200 Qualified", Case Code (Imperial)=0603, Case Code (Metric)=1608, Max Operating Temperature=155°C, Min Operating Temperature=-55°C, Power Rating=100mW, Resistance=41.2kΩ, Resistor Type="Thick Film", Temperature Coefficient=100ppm/°C, Tolerance=0.5%, Voltage Rating=50V, Case/Package=0603, Height=0.45mm, Length=1.6mm, Packaging="Tape and Reel", RoHS Compliant=Yes, Series=RK73H, Termination=SMD/SMT, Weight=7.1E-05oz, Width=0.8mm
R8: library part CMP-2000-01507-1, Manufacturer="KOA Speer", Resistance=43.2kΩ, Part Number=RK73H1JTTD4322F
R9 R12 R13 R14 R15 R16 R17 R18 R19 R22 R23 R24 R25 R26 R28 R29 R30 R31 R32 R33: library part CMP-2000-04311-1, Manufacturer=Yageo, Resistance=0Ω, Part Number=RC0603JR-130RL
R10 R11 R20 R21 R27: library part CMP-2000-03929-1, Manufacturer=Yageo, Resistance=196Ω, Part Number=RC0603FR-07196RL
U1: library part CMP-0478-00030-1, "Dual Micropower DC/DC Converters with Schottky Diodes, 2.4 to 15 V Vin, 10-pin SON (DD-10), -40 to 85 degC, Pb-Free", Manufacturer="Linear Technology", Code_JEDEC=MO-229, ComponentLink1Description="Manufacturer URL", ComponentLink1URL=http://www.linear.com/, ComponentLink2Description=Datasheet, ComponentLink2URL=http://cds.linear.com/docs/en/datasheet/3463f.pdf, ComponentLink3Description="Package Specification", ComponentLink3URL=http://cds.linear.com/docs/en/packaging/DFN_10_05-08-1699.pdf, Mounting Technology="Surface Mount", Number of Outputs=2, PackageDescription="10-Pin Plastic DFN, Body 3 x 3 mm, Pitch 0.5 mm", PackageReference=DD-10, PackageVersion="Rev. C, 06/2010", PartNumber=LT3463AEDD#PBF, RoHS=TRUE, Vin Max(V)=15, Vin Min(V)=2.4
U2: library part CMP-0478-00154-1, "Dual Micropower DC/DC Converter with Positive and Negative Outputs, 1.2 to 15 V Vin, 10-pin SOP (MS-10), -40 to 125 degC, Pb-Free", Manufacturer="Linear Technology", ComponentLink1Description="Manufacturer URL", ComponentLink1URL=http://www.linear.com/, ComponentLink2Description=Datasheet, ComponentLink2URL=http://cds.linear.com/docs/en/datasheet/1945fa.pdf, ComponentLink3Description="Package Specification", ComponentLink3URL=http://cds.linear.com/docs/en/packaging/05081661_F_MS.pdf, DatasheetVersion="Rev. A", Mounting Technology="Surface Mount", Number of Outputs=2, PackageDescription="10-Pin Plastic MSOP, Body 3 x 3 mm, Pitch 0.5 mm", PackageReference=MS-10, PackageVersion="Rev. E, 06/2010", PartNumber=LT1945IMS#PBF, RoHS=TRUE, Vin Max(V)=15, Vin Min(V)=1.2
U3: library part CMP-0347-00055-2, "Boost Voltage Converter with 0.7 to 5.5 V Input and 5 V Output, -40 to 85 degC, 6-Pin SC70 (DCK), Green (RoHS & no Sb/Br)", Manufacturer="Texas Instruments", Switching Frequency(Max)(kHz)=2000, Code_JEDEC=MO-203-AB, ComponentLink1Description=Datasheet, ComponentLink1URL=http://www.ti.com/general/docs/lit/getliterature.tsp?genericPartNumber=TPS61222&fileType=pdf, ComponentLink2Description="Package Specification", ComponentLink2URL=http://www.ti.com/litv/pdf/mpds114c, DatasheetVersion=SLVS776, Eco-Plan="Green (RoHS & no Sb/Br)", Mounting Technology="Surface Mount", PackageDescription="6-Pin Plastic Small-Outline Package, 2 x 1.3 mm Body, 0.65 mm Pitch, 2.1 mm Lead Span", PackageReference=DCK0006A, PackageVersion="revG, Jan-2007", PartNumber=TPS61222DCKR, Regulated Outputs(#)=1, SubFamily="Step-Up Regulator", Topology=Boost, Vin(Max)(V)=5.5, Vin(Min)(V)=0.7, Vout(Max)(V)=5, Vout(Min)(V)=5
U8: "16-CH 200V No Hv Bias Switch (SPST), 1 Bleed Resistor 48 LQFP 7X7X1.4MM T/r Rohs Compliant: Yes", Manufacturer=Microchip, Supplier Part Number 1=150-HV2708T-C/R8XCT-ND, Category="Decoders and Multiplexers", Manufacturer Part Number=HV2708T-C/R8X, Pricing 1="1=19.01000, 25=15.84720, 100=14.65500 (USD)", RoHS=Yes, Stock 1=440, Supplier 1=Digi-Key
U9: "No Description Available", Mfr_Name=Microchip, Copyright="Copyright (C) 2022 Ultra Librarian. All rights reserved.", Manufacturer_Part_Number=MD0101K6-G, RefDes=RefDes, Type=DEV
U10: library part CMP-09116-000032-1, "IC OPAMP VGA 1 CIRCUIT 16LFCSP", Manufacturer="Analog Devices", Max Junction Temp=+150°C, Max Supply Voltage=5V, Min Supply Voltage=3V, Nominal Supply Current=3-6mA, Output Current per Channel=5mA, Package=CP-16-22, Temperature="-40°C to +85°C", Temperature Range High=+85°C, Temperature Range Low=-40°C, Voltage Gain=80dB, Automotive=No, Bandwidth=18MHz, Category=IC, ComponentLink2Description=Datasheet, ComponentLink2URL=https://www.analog.com/media/en/technical-documentation/data-sheets/AD8338.pdf, Device Class L1="Integrated Circuits (ICs)", Device Class L2="Linear ICs", Device Class L3="Amplifiers - Op Amps", Digikey Description="IC OPAMP VGA 1 CIRCUIT 16LFCSP", Height=0.8mm, Ipc Land Pattern Name=QFN50P300X300X75-16, Lead Free=Yes, Manufacturer Part Number=AD8338ACPZ-R7, Mouser Description="Special Purpose Amplifiers Ultra Low Pwr 18MHz SGL CH VGA", Number of Channels=1, Octopart=https://octopart.com/ad8338acpz-r7-analog+devices-21054770, RoHS=TRUE
U11 U12 U14 U18: library part CMP-00918-1, "Power Switch ICs - Power Distribution 1A Slew Rate Ctrl Load Switch", Max Operating Temperature=85°C, Max Output Current=1.4A, Max Power Dissipation=324mW, Max Supply Voltage=5.5V, Min Operating Temperature=-40°C, Min Supply Voltage=1.1V, On-State Resistance=520mR, Output Current=1A, Package Quantity=3000, Fault Protection="Reverse Current", Interface=On/Off, Lead Free="Lead Free", Mount="Surface Mount", Number of Outputs=1, Number of Pins=4, Output Configuration="High Side", Packaging="Tape and Reel", Power Dissipation=324mW, Radiation Hardening=No, Turn-Off Delay Time=10us, Turn-On Delay Time=40us, Weight=0.001764oz
U15 U16: library part TC2320, "8L SOIC N-Channel and P-Channel Enhancement-Mode Dual MOSFET"
U17: "5P SOT-23 DBV MOSFET IGBT Single-Gate-Driver"
U20: "TVS6291A Series 5.5 V 1.3 MHz Single CMOS Operational Amplifier - SOT-23-5"
X1 X2 X3 X4 X5 X6 X7 X8 X13 X14 X15 X16: library part CMP-00101-2, "3 Positions Header, Unshrouded Connector 0.100\" (2.54mm) Through Hole Gold or Gold, GXT™", Color=Black, Current Rating=3A, Flammability Rating="UL94 V-0", Insulation Resistance=5GR, Manufacturer="Amphenol FCI", Max Operating Temperature=125°C, Max Voltage Rating (AC)=1.5kV, Min Operating Temperature=-65°C, Package Quantity=100, Supplier part number=609-3461-ND, ComponentLink1Description=68000-274283-5157301.pdf, ComponentLink1URL=https://datasheet.ciiva.com/5157/68000-274283-5157301.pdf, ComponentLink2Description=68000-731071.pdf, ComponentLink2URL=https://datasheet.ciiva.com/731/68000-731071.pdf, ComponentLink3Description=68000-10149754.pdf, ComponentLink3URL=https://datasheet.ciiva.com/10149/68000-10149754.pdf, ComponentLink4Description=1914865-46392021.pdf, ComponentLink4URL=https://datasheet.ciiva.com/46392/1914865-46392021.pdf, Connector Type="Header, Unshrouded", Contact Finish="Gold or Gold, GXT™", Contact Finish Thickness="15µin (0.38µm)", Contact Gender=Male, Contact Material=Bronze, Contact Mating Length="0.230\" (5.84mm)", Contact Plating=Nickel,Gold,GXT, Contact Type="Male Pin", Depth=2.41mm, Fastening Type=-, Features=-, Housing Colour=Black, Housing Material=Thermoplastic, Length=7.62mm, Manufacturer Part Number=68000-103HLF, Mounting Type="Through Hole", Number of Contacts=3, Number of Positions=3, Number of Rows=1, Orientation=Straight, Packaging=Bulk, Pitch=2.54mm, Radiation Hardening=No, REACH SVHC="No SVHC", Supplier=Digikey, Termination=Solder, Termination Post Length=2.41mm, Voltage Rating=1.5kV
X9 X11 X12: library part CMP-00150-2, "6 Positions Header, Unshrouded Connector 0.100\" (2.54mm) Through Hole Gold or Gold, GXT™", Case/Package=100, Colour=Black, Current Rating=3A, Flammability Rating="UL94 V-0", Insulation Resistance=5GR, Manufacturer="Amphenol FCI", Max Operating Temperature=125°C, Max Voltage Rating (AC)=1.5kV, Min Operating Temperature=-65°C, Supplier part number=609-3202-ND, ComponentLink1Description=67996-16726269.pdf, ComponentLink1URL=https://datasheet.ciiva.com/16726/67996-16726269.pdf, ComponentLink2Description=1876884-46393071.pdf, ComponentLink2URL=https://datasheet.ciiva.com/46393/1876884-46393071.pdf, ComponentLink3Description=67996-728918.pdf, ComponentLink3URL=https://datasheet.ciiva.com/728/67996-728918.pdf, ComponentLink4Description=67996-10149181.pdf, ComponentLink4URL=https://datasheet.ciiva.com/10149/67996-10149181.pdf, Connector Type="Male Pin", Contact Gender=Male, Contact Material=Bronze, Contact Mating Length=0.23inch, Contact Plating=Nickel,Gold,GXT, Depth=4.83mm, Gender=Male, Housing Colour=Black, Housing Material=Thermoplastic, Length=7.62mm, Manufacturer Part Number=67996-106HLF, Mating Post Length=5.84mm, Number of Contacts=6, Number of Positions=6, Number of Rows=2, Orientation=Straight, Package Quantity=100, Packaging=Bulk, Pitch=2.54mm, Radiation Hardening=No, REACH SVHC="No SVHC", Row Spacing=0.1inch, Supplier=Digikey, Termination=Solder, Termination Post Length=2.41mm, Voltage Rating=1.5kV

## Free pads (board coordinates)
  round 1.524 hole 0.762: 2(57.837,18.057) 3(10.837,18.057) 4(57.837,-19.723) 5(10.837,-19.723)

## Via types
v1: diameter 0.62, hole 0.3, Top Layer to Bottom Layer, tented both sides, 204 vias
v2: diameter 0.62, hole 0.3, Top Layer to Bottom Layer, tented bottom, 6 vias

## Nets (pads, with @x,y where several pads share a name; then routed paths per layer and width w, separated by ;. In a path a pad name is that pad's centre, name@x,y a point inside that pad or via, vN(x,y) a via of type N, cw(c..) or ccw(c..) an arc to the next point about the centre after c; other vN are vias at no path point)
CH0_OUT: J1.38 X11.3 | length 42.2
  Signal Layer 1 w0.45: v1(1.452,19.227) 18.952,19.227 24.152,14.027 24.152,9.527 28.108,5.571 28.108,3.327 X11.3@29.389,2.046
  Bottom Layer w0.24: J1.38@-0.5,20 -0.47,19.97 -0.47,19.188 0.018,18.7 0.925,18.7 v1(1.452,19.227)
HV_EN1: J1.15 U1.9 U2.2 | length 49.5
  Top Layer w0.24: U1.9@8.744,-14.71 9.712,-14.71 9.958,-14.464 v1(9.958,-13.829)
  Signal Layer 1 w0.15: v1(-4.348,18.427) -5.148,17.627 -5.148,8.827 -6.273,7.702 -6.273,5.327 -6.273,-1.789 1.703,-9.765 v1(1.83,-9.765)
  Signal Layer 2 w0.15: v1(1.83,-9.765) 1.83,-9.892 5.767,-13.829 v1(9.958,-13.829)
  Bottom Layer w0.24: J1.15@-6,16.3 -5.97,16.33 -5.97,17.254 -4.869,18.354 -4.421,18.354 v1(-4.348,18.427) ; v1(1.83,-9.765) 1.903,-9.838 2.308,-9.838 2.862,-10.392 2.856,-10.398 2.856,-11.219 U2.2@2.854,-11.221
HV_EN2: J1.17 U1.8 U2.4 | length 49.1
  Top Layer w0.24: U1.8@8.744,-15.21 9.974,-15.21 11.028,-14.156 11.028,-13.902 v1(11.101,-13.829)
  Signal Layer 1 w0.15: v1(-3.548,17.927) -3.548,17.127 -3.948,16.727 -3.948,-2.463 v1(2.719,-9.13)
  Signal Layer 2 w0.15: v1(2.719,-9.13) 2.719,-9.257 6.275,-12.813 10.085,-12.813 v1(11.101,-13.829)
  Bottom Layer w0.24: J1.17@-5.5,16.3 -5.47,16.33 -5.47,17.112 -4.955,17.627 -4.328,17.627 -4.1,17.854 -3.621,17.854 v1(-3.548,17.927) ; v1(2.719,-9.13) 3.862,-10.273 3.856,-10.279 3.856,-11.219 U2.4@3.854,-11.221
INT_EN: INT_EN.1 J1.21 X4.3 X5.3 X6.3 X7.3 | length 38.9
  Top Layer w0.24: X4.3@-10.743,14.365 X4.3@-10.465,14.365 ; X6.3@-10.489,-4.939 X6.3@-10.743,-4.939 -9.509,-6.173 INT_EN.1@-8.248,-6.173
  Signal Layer 2 w0.24: X5.3@-10.743,4.713 -10.397,4.713 -9.782,5.327 X7.3@-5.288,5.327
  Bottom Layer w0.24: X6.3@-11.014,-4.939 X6.3@-10.743,-4.939 -12.013,-3.669 -12.013,3.443 X5.3@-10.743,4.713 -12.013,5.983 -12.013,13.095 X4.3@-10.743,14.365 -4.901,14.365 -4.5,14.766 J1.21@-4.5,16.3 J1.21@-4.47,16.33
NetC4_1: C4.1 L2.2 U1.4 | length 0.8
  Top Layer w0.24: L2.2@0.56,-19.645 L2.2@0.879,-19.964 ; C4.1@3.313,-18.044 C4.1@3.543,-18.274 ; U1.4@5.889,-15.715 U1.4@5.894,-15.71
NetC4_2: C4.2 D1.1 U1.5 | length 0
  Top Layer w0.24: U1.5@5.889,-16.215 U1.5@5.894,-16.21
NetC6_1: C6.1 R5.1 R7.1 U2.5 | length 9.6
  Bottom Layer w0.24: R7.1@-1.892,-9.765 0.264,-9.765 R5.1@0.306,-9.807 0.383,-9.807 0.592,-9.597 0.592,-9.521 1.563,-8.55 3.663,-8.55 4.158,-9.045 4.158,-9.052 4.316,-9.21 4.323,-9.21 4.548,-9.435 4.548,-9.51 C6.1@4.803,-9.765 ; U2.5@4.354,-11.221 4.354,-10.289 4.548,-10.095 4.548,-10.02 C6.1@4.803,-9.765 ; C6.1@4.803,-9.765 C6.1@4.878,-9.765 C6.1@4.803,-9.765
NetC8_1: C8.1 L3.2 U2.10 | length 0.9
  Bottom Layer w0.24: L3.2@-1.242,-19.34 L3.2@-0.938,-19.036
  Bottom Layer w0.45: L3.2@-0.938,-19.036 L3.2@-0.633,-18.731
NetC8_2: C8.2 D3.2 D4.1 | length 4.1
  Bottom Layer w0.45: D4.1@-5.155,-14.591 D3.2@-3.25,-14.591 -3.25,-14.902 -2.799,-15.353 C8.2@-1.537,-15.353